# Altium PCB RUMBA_V2.PcbDoc (part 1 of 2)
Units mm, origin at the board's own origin, x right, y up, seen from the top; angles counter-clockwise.
Board outline 140 x 75 mm, 2 copper layers (Top Layer, Bottom Layer); 195 components, 179 nets, 836 pads, 168 vias.
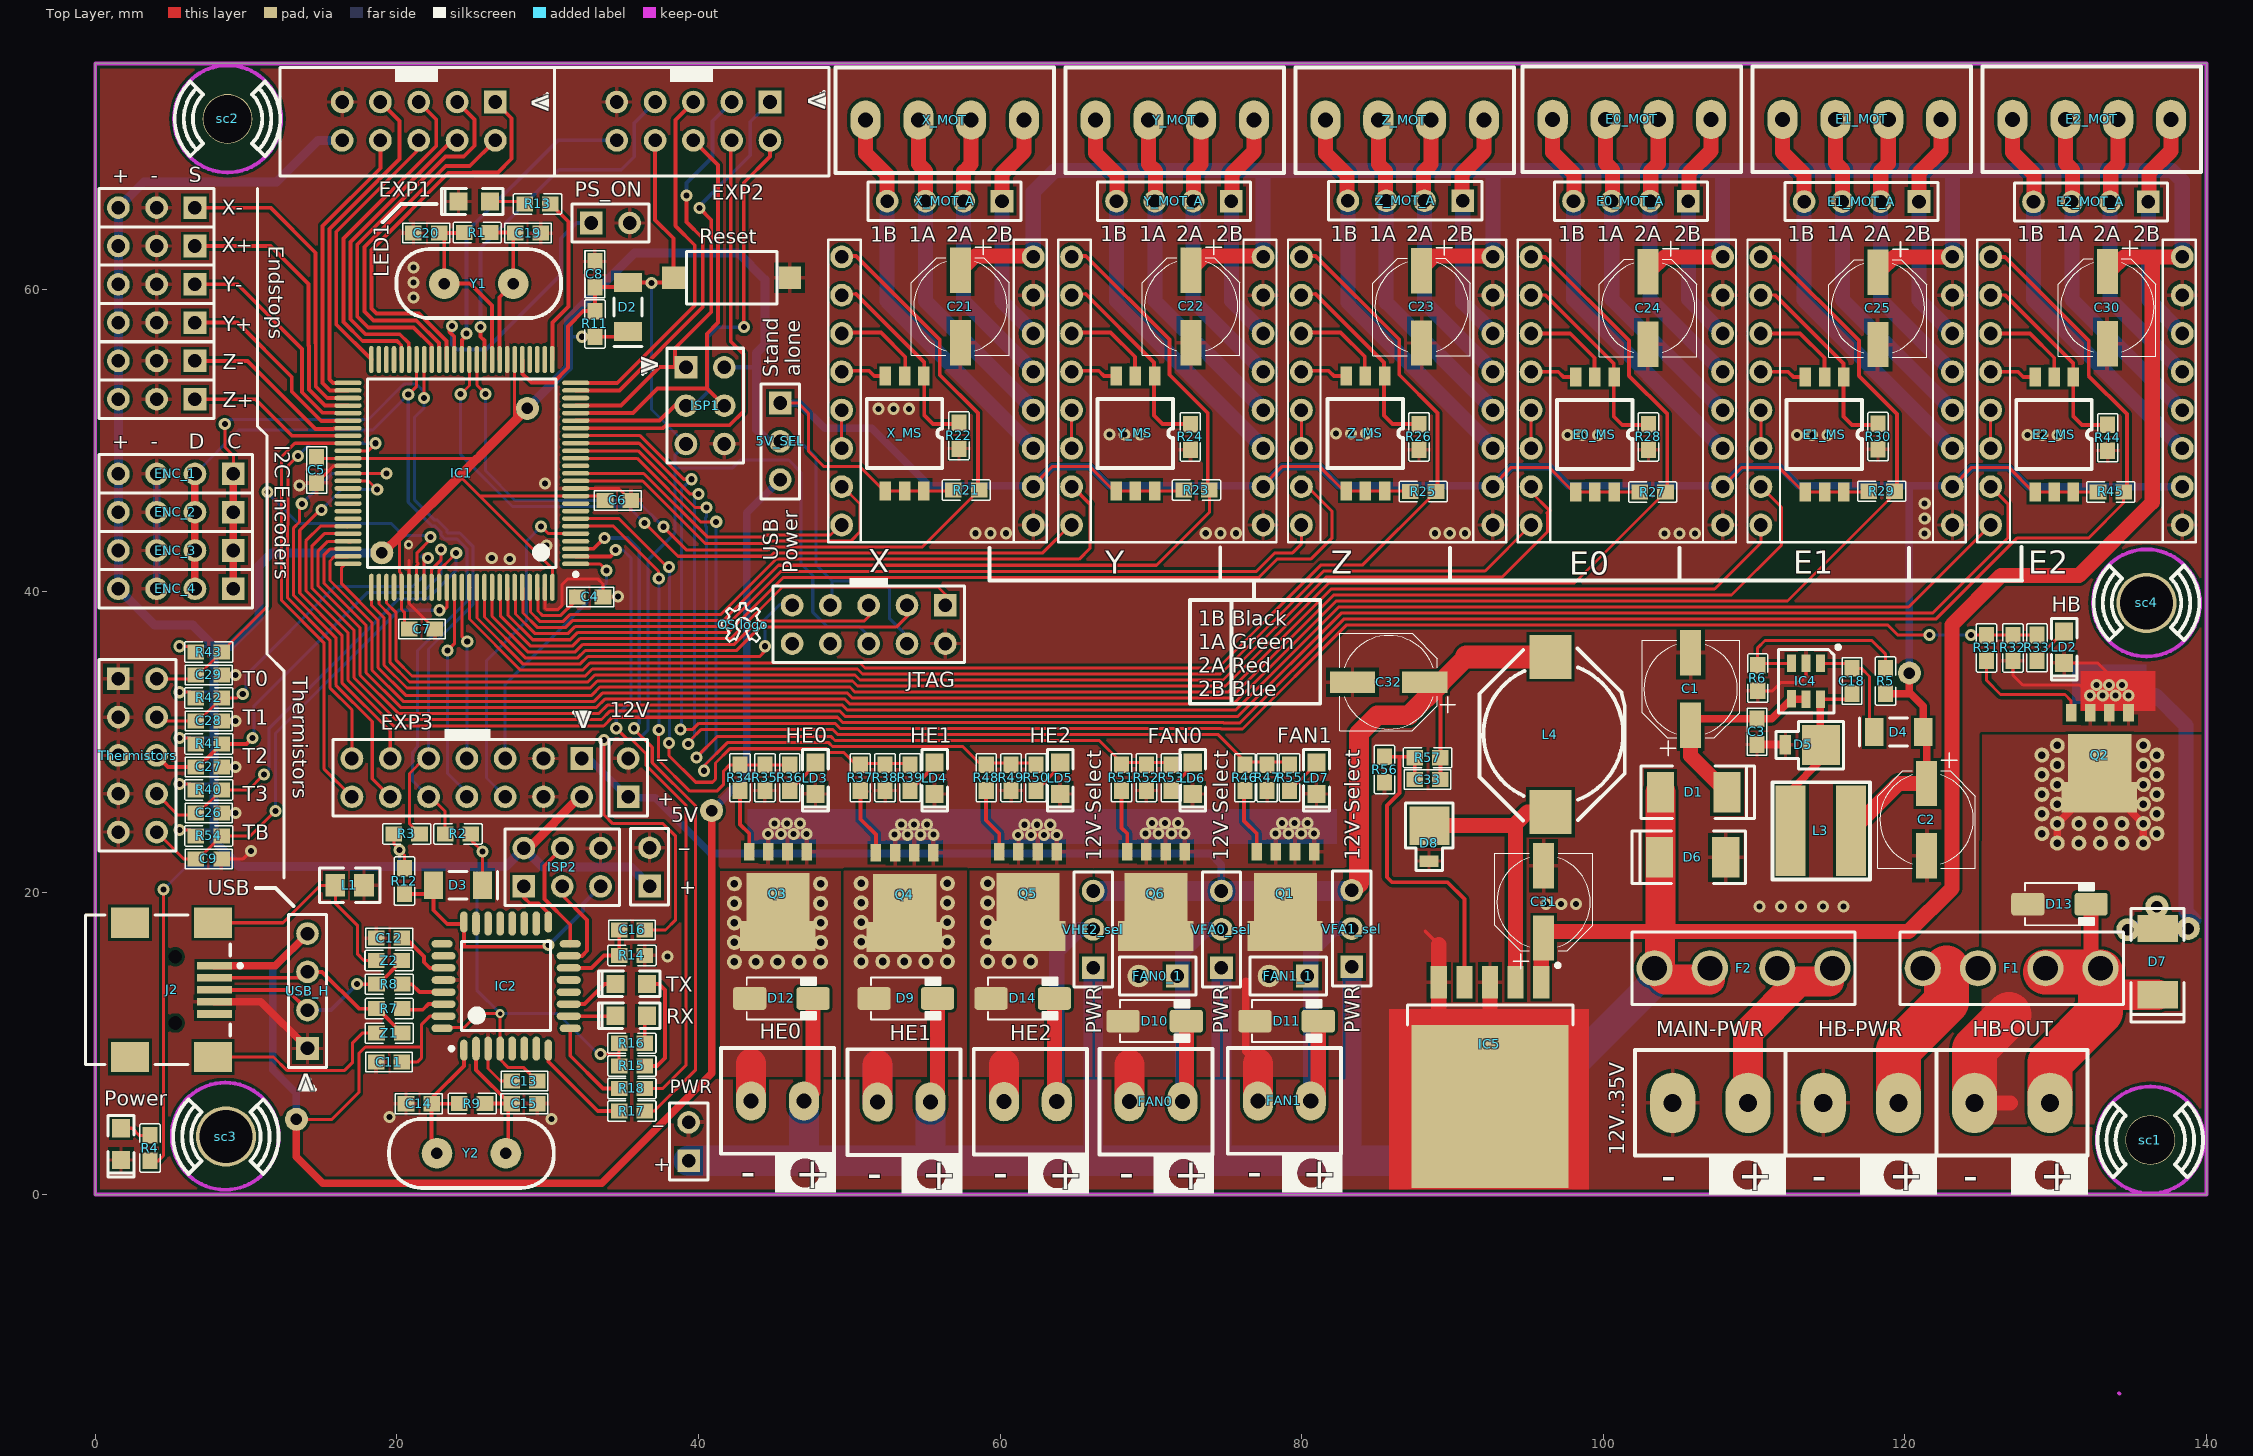
[diagram p0: Top Layer view]
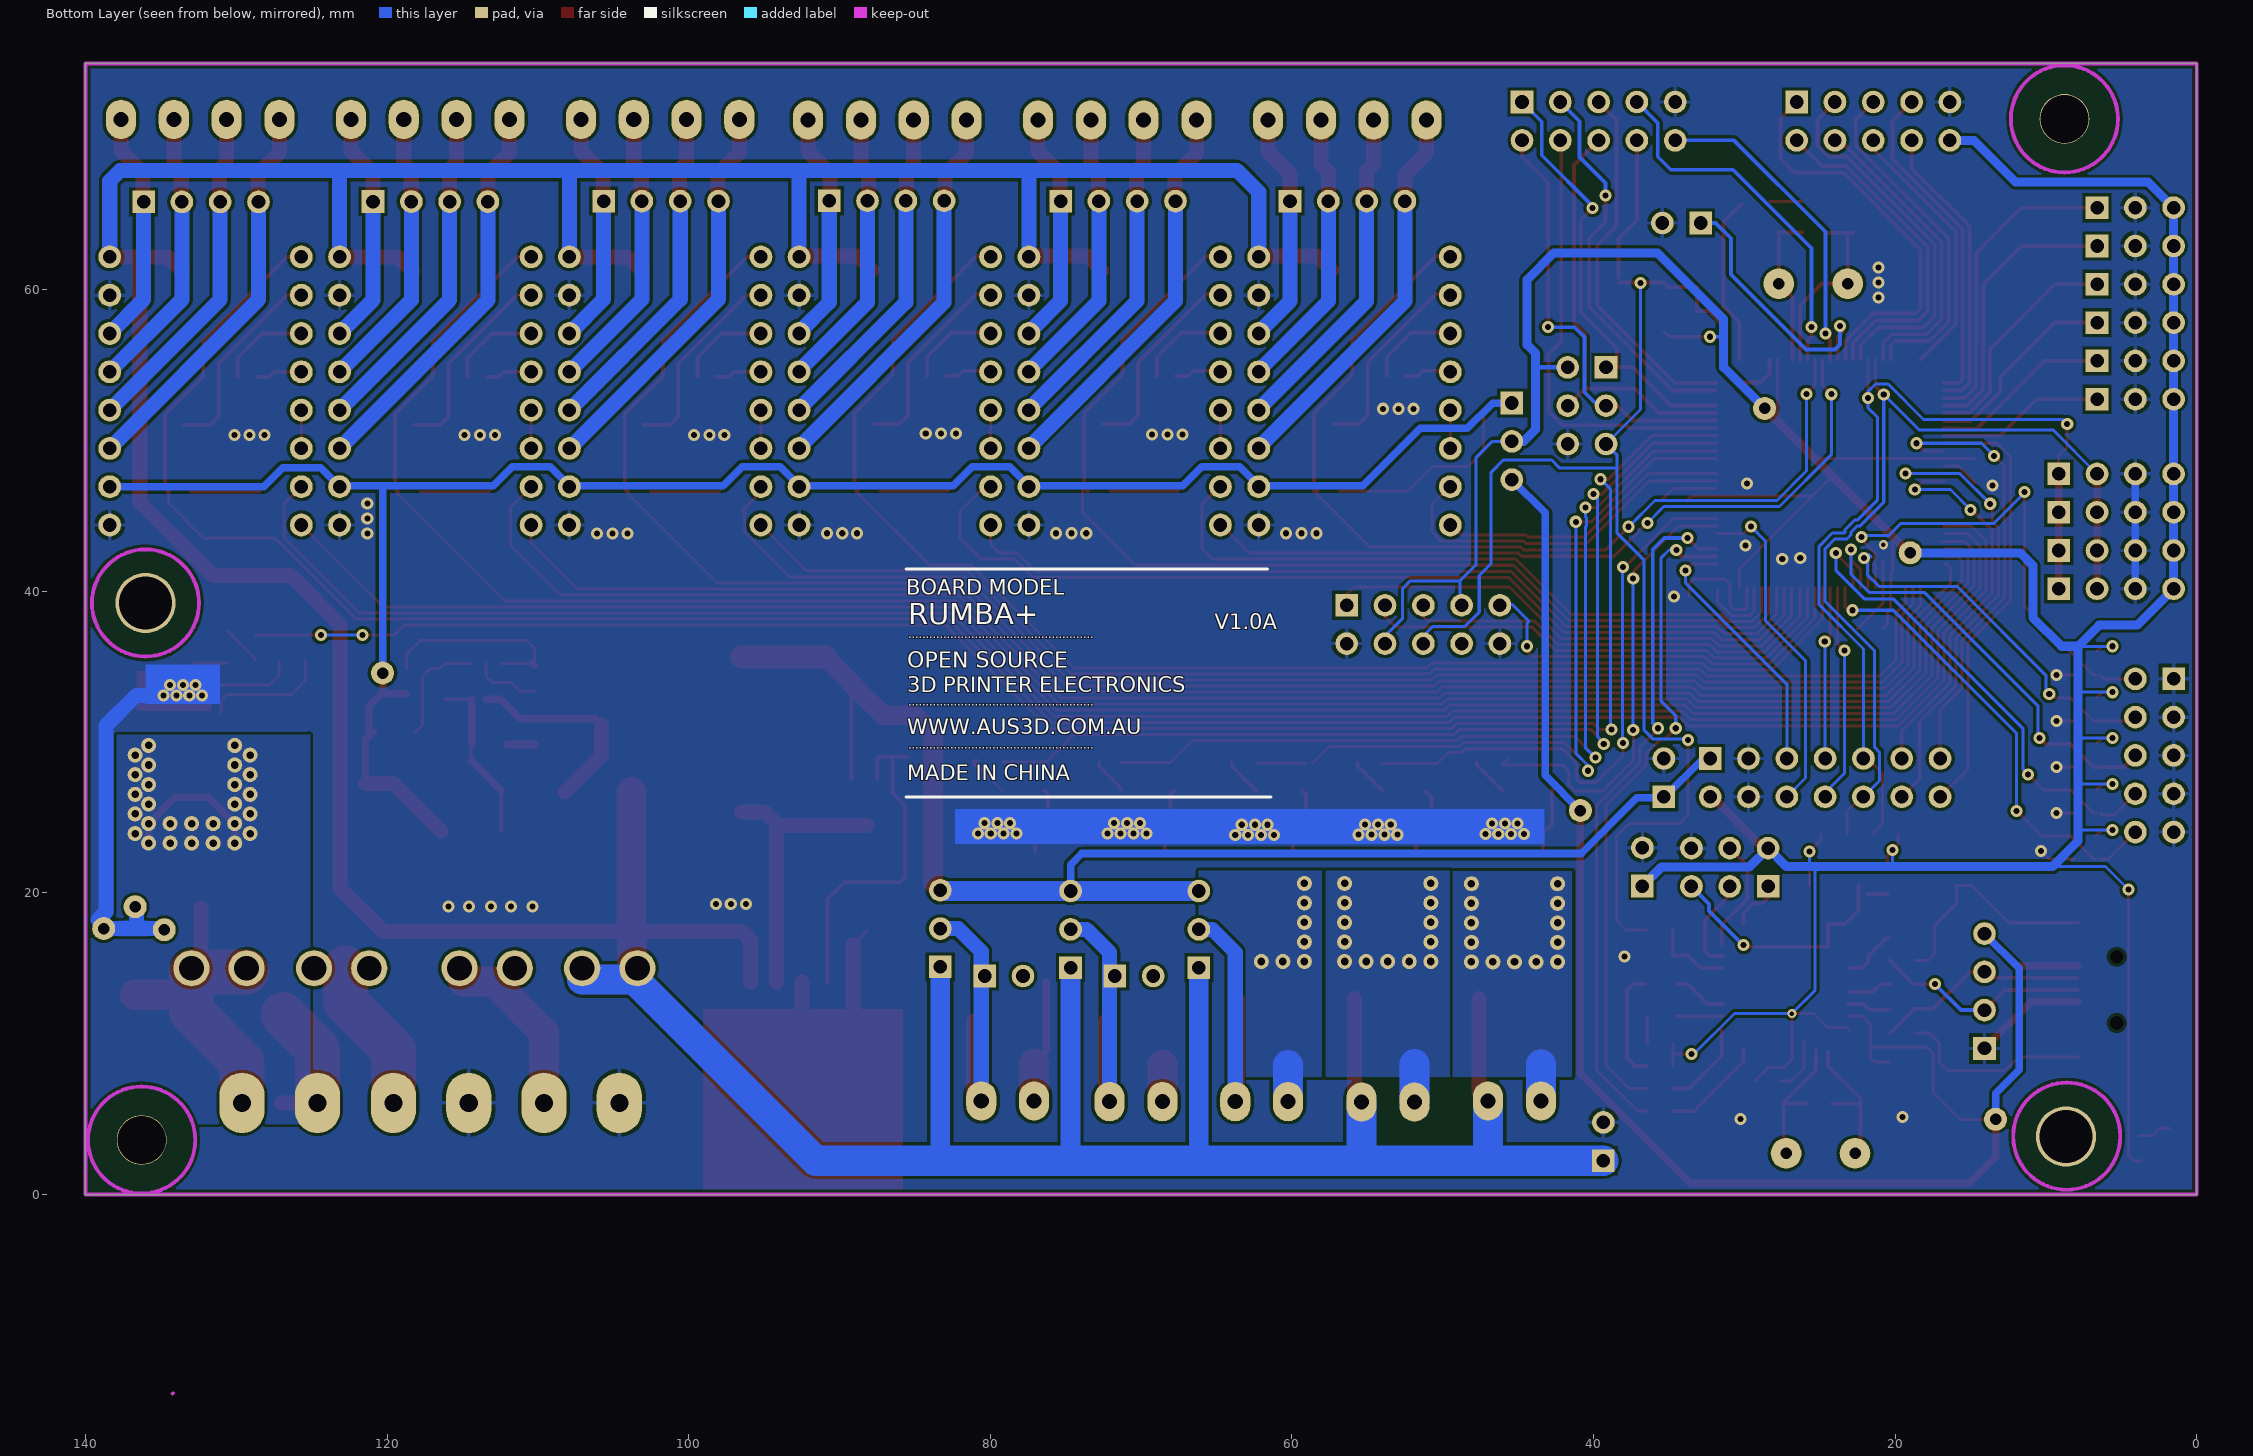
[diagram p1: Bottom Layer view, seen from below]

## Layer stack, top to bottom
Top Solder: solder mask 0.0102, Solder Resist, Dk 3.5
Top Layer: signal copper 0.0356
Dielectric1: dielectric 0.32, FR-4, Dk 4.8
Bottom Layer: signal copper 0.0356
Bottom Solder: solder mask 0.0102, Solder Resist, Dk 3.5

## Board outline
0,0 0,75 140,75 140,0

## Design rules (kind name [scope] priority, off if disabled: settings)
Clearance [All] p1: gap=0.2
ComponentClearance [All] p1: gap=0.2 collisioncheckmode=3 verticalgap=0.25 showdistances=FALSE
HoleSize [All] p1: absolutevalues=TRUE maxlimit=4 minlimit=0.025 maxpercent=80.000 minpercent=20.000
MinimumSolderMaskSliver [All] p1: minsoldermaskwidth=0
PolygonConnect PolygonConnect_Via [All vs IsVia] p1: connectstyle=Direct reliefconductorwidth=0.254 reliefentries=4 polygonreliefangle="90 Angle" airgapwidth=0.254
PolygonConnect PolygonConnect_Specific [All vs IsPad AND (InNet('HE_0') OR InNet('NetD9_A') OR InNet('NetD10_A') OR InNet('NetD11_A') OR InNet('NetD12_A') OR InNet('NetD13_A') OR InNet('NetD14_A'))] p2: connectstyle=Direct reliefconductorwidth=0.254 reliefentries=4 polygonreliefangle="90 Angle" airgapwidth=0.254
PolygonConnect [All] p3: connectstyle=Relief reliefconductorwidth=0.254 reliefentries=4 polygonreliefangle="90 Angle" airgapwidth=0.254
RoutingVias [All] p1: holewidth=0.4 width=0.8 viastyle="Through Hole" minholewidth=0.2 minwidth=0.6 maxholewidth=1 maxwidth=1.27
SilkToSilkClearance [All] p1: silktosilkclearance=0.1
SilkToSolderMaskClearance SilkscreenOverComponentPads [IsPad] p1: minsilkscreentomaskgap=0 clearancetoexposedcopper=TRUE
SolderMaskExpansion [All] p1: expansion=0.102
Width Width_1 [All] p1: maxlimit=3 minlimit=0.1 preferedwidth=0.2 minimp=50.000000 maximp=50.000000 favimp=50.000000
25 further rules are at their usual default settings.

## Components (designator, comment, footprint, x,y, rotation, side; value= is the part's Value field where it differs from the comment)
5V "Header 2" HDR1X2 36.758,20.455 r90 top
5V_SEL "Header 3" HDR1X3 45.419,52.484 r270 top
12V "Header 2" HDR1X2 35.335,26.373 r90 top
C1 "CapE-6.3-47uF-50V" "CAP EL PANASONIC" 105.795,35.974 r180 top
C2 "CapE-6.3-100uF-16V" "CAP EL PANASONIC" 121.441,22.41 r0 top
C3 "CapC-0603-100nF" "CAP 1608-0603" 110.189,30.691 r90 top
C4 "CapC-0603-100nF" "CAP 1608-0603" 32.821,39.632 r180 top
C5 "CapC-0603-100nF" "CAP 1608-0603" 14.685,48.039 r90 top
C6 "CapC-0603-100nF" "CAP 1608-0603" 34.649,46.032 r180 top
C7 "CapC-0603-100nF" "CAP 1608-0603" 21.67,37.498 r180 top
C8 "CapC-0603-22pF" "CAP 1608-0603" 33.125,61.018 r270 top
C9 "approved sub OK" "Cap 1608-0603" 7.526,22.258 r0 top
C11 "CapC-0603-100nF" "CAP 1608-0603" 19.475,8.778 r0 top
C12 "approved sub OK" "CAP 1608-0603" 19.488,17.008 r180 top
C13 "CapC-0603-100nF" "CAP 1608-0603" 28.456,7.526 r0 top
C14 "CapC-0603-22pF" "CAP 1608-0603" 21.456,6.016 r0 top
C15 "CapC-0603-22pF" "CAP 1608-0603" 28.456,6.016 r180 top
C16 "CapC-0603-100nF" "CAP 1608-0603" 35.6,17.546 r180 top
C18 "CapC-0603-100nF" "CAP 1608-0603" 116.488,34.044 r90 top
C19 "CapC-0603-22pF" "CAP 1608-0603" 28.699,63.752 r180 top
C20 "CapC-0603-22pF" "CAP 1608-0603" 21.949,63.752 r0 top
C21 "CapE-6.3-100uF-35V" "CAP EL PANASONIC" 57.374,56.434 r0 top
C22 "CapE-6.3-100uF-35V" "CAP EL PANASONIC" 72.665,56.436 r0 top
C23 "CapE-6.3-100uF-35V" "CAP EL PANASONIC" 87.956,56.41 r0 top
C24 "CapE-6.3-100uF-35V" "CAP EL PANASONIC" 102.968,56.334 r0 top
C25 "CapE-6.3-100uF-35V" "CAP EL PANASONIC" 118.208,56.309 r0 top
C26 "approved sub OK" "Cap 1608-0603" 7.526,25.306 r0 top
C27 "approved sub OK" "Cap 1608-0603" 7.526,28.354 r0 top
C28 "approved sub OK" "Cap 1608-0603" 7.526,31.402 r0 top
C29 "approved sub OK" "Cap 1608-0603" 7.526,34.45 r0 top
C30 "CapE-6.3-100uF-35V" "CAP EL PANASONIC" 133.422,56.36 r0 top
C31 "CapE-6.3-100uF-35V" "CAP EL PANASONIC" 96.041,21.852 r180 top
C32 "CapE-6.3-100uF-35V" "CAP EL PANASONIC" 83.316,33.967 r270 top
C33 "CapC-0603-100nF" "Cap 1608-0603" 88.346,27.516 r180 top
D1 "M4" "1N4007 SMD" 102.391,28.557 r270 top
D2 "" "1N4148 SMD" 35.324,58.842 r90 top
D3 "" "1N4148 SMD" 24.058,20.505 r180 top
D4 "" "1N4148 SMD" 119.587,30.665 r0 top
D5 "Diode MBRM140" MBRM140 114.431,29.802 r180 top
D6 "M4" "1N4007 SMD" 109.529,20.48 r90 top
D7 "M4" "1N4007 SMD" 138.637,19.058 r180 top
D8 "Diode MURS320" MBRM140 88.472,24.463 r270 top
D9 "100V; 1.5A" DO-214AC 53.75,13 r0 top
D10 "100V; 1.5A" DO-214AC 70.25,11.5 r0 top
D11 "100V; 1.5A" DO-214AC 79,11.5 r0 top
D12 "100V; 1.5A" DO-214AC 45.5,13 r0 top
D13 "100V; 1.5A" DO-214AC 130.25,19.254 r0 top
D14 "100V; 1.5A" DO-214AC 61.5,13 r0 top
E0 "A4988BREAKOUT" A4988BREAKOUT 95.211,62.176 r270 top locked
E0_MOT "ScrewTerminal-3.5mm-4Way" "TERM4 3.5MM" 96.643,71.295 r0 top
E0_MOT_A "Header 4" HDR1X4 105.642,65.87 r180 top
E0_MS "SW DIP-3" "DIPSW SO6" 100.716,54.204 r270 top
E1 "A4988BREAKOUT" A4988BREAKOUT 110.451,62.176 r270 top locked
E1_MOT "ScrewTerminal-3.5mm-4Way" "TERM4 3.5MM" 111.893,71.295 r0 top
E1_MOT_A "Header 4" HDR1X4 120.933,65.844 r180 top
E1_MS "SW DIP-3" "DIPSW SO6" 115.942,54.204 r270 top
E2 "A4988BREAKOUT" A4988BREAKOUT 125.691,62.176 r270 top locked
E2_MOT "ScrewTerminal-3.5mm-4Way" "TERM4 3.5MM" 127.143,71.295 r0 top
E2_MOT_A "Header 4" HDR1X4 136.148,65.819 r180 top
E2_MS "SW DIP-3" "DIPSW SO6" 131.168,54.204 r270 top
ENC_1 "Header 4" HDR1X4 9.152,47.785 r180 top
ENC_2 "Header 4" HDR1X4 9.152,45.245 r180 top
ENC_3 "Header 4" HDR1X4 9.152,42.705 r180 top
ENC_4 "Header 4" HDR1X4 9.152,40.165 r180 top
EXP1 "Header 5X2" "HDR2X5_EXP INER ONLY\" 30.535,74.746 r180 top
EXP2 "Header 5X2" "HDR2X5_EXP INER ONLY\" 48.746,74.746 r180 top
EXP3 "Header 7X2" HDR2X7 32.262,28.913 r180 top
F1 "Fuseholder - Mini ATC ATO 15A" "Fuseholder - BK-6013 - Mini ATC ATO Blade 15A" 127.08,15.004 r0 top
F2 "Fuseholder - Mini ATC ATO 15A" "Fuseholder - BK-6013 - Mini ATC ATO Blade 15A" 109.3,15.004 r180 top
FAN0 "Screw Terminal 3.5mm 2-Way" "TERM2 3.5MM" 72.089,6.154 r180 top
FAN0_1 "Header 2" HDR1X2 71.737,14.488 r180 top
FAN1 "Screw Terminal 3.5mm 2-Way" "TERM2 3.5MM" 80.598,6.205 r180 top
FAN1_1 "Header 2" HDR1X2 80.374,14.488 r180 top
HB-OUT "Screw Terminal 5mm 2-Way" "TERM2 5MM" 124.616,6.078 r0 top
HB-PWR "Screw Terminal 5mm 2-Way" "TERM2 5MM" 114.583,6.078 r0 top
HE0 "Screw Terminal 3.5mm 2-Way" "TERM2 3.5MM" 46.994,6.205 r180 top
HE1 "Screw Terminal 3.5mm 2-Way" "TERM2 3.5MM" 55.376,6.129 r180 top
HE2 "Screw Terminal 3.5mm 2-Way" "TERM2 3.5MM" 63.758,6.154 r180 top
IC1 "ATMEGA2560" TQFP100N 24.31,47.817 r180 top locked
IC2 "ATMEGA16U2-AU" TQFP32N 27.248,13.824 r90 top
IC4 "LT1933ES6" SOT23-6N 113.44,34.044 r270 top
IC5 "LM2596" TO-263 92.486,8.491 r270 top
ISP1 "Header 3X2" HDR2X3 39.171,54.846 r270 top
ISP2 "Header 3X2" HDR2X3 28.426,20.429 r0 top
J2 "USB conector" USB_MINI/SM0.8-6H5 0.052,13.571 r180 top
JTAG "Header 5X2" HDR2X5 56.366,39.073 r180 top
L1 "Ferrite Bead SMD 0805" "RES 2012-0805" 16.869,20.505 r0 top
L3 "Inductor SMD 33uH 1.2A" INDUCTOR_MSS6122D 112.424,24.112 r270 top
L4 "Inductor SMD 47uH 1.8A" DO3316P 96.498,25.357 r90 top
LD2 "GREEN" "LED 0805" 130.56,37.346 r270 top
LD3 "GREEN" "LED 0805" 47.756,28.659 r270 top
LD4 "GREEN" "LED 0805" 55.658,28.659 r270 top
LD5 "GREEN" "LED 0805" 63.99,28.659 r270 top
LD6 "GREEN" "LED 0805" 72.778,28.659 r270 top
LD7 "GREEN" "LED 0805" 80.979,28.659 r270 top
LED1 "YELLOW" "LED 0805" 26.183,65.844 r180 top
MAIN-PWR "Screw Terminal 5mm 2-Way" "TERM2 5MM" 104.601,6.078 r0 top (schematic designator Main-PWR)
"OS logo" "Logo" "OS LOGO TOP" 42.981,37.828 r0 top
Power "GREEN" "LED 0805" 1.706,4.394 r270 top
PS_ON "Header 2" HDR1X2 32.897,64.422 r0 top
PWR "Header 2" HDR1X2 39.348,2.243 r90 top
Q1 "PSMN1R8-40YLC" LFPACK 80.827,22.727 r180 top
Q2 "PSMN1R8-40YLC" LFPACK 134.827,31.935 r180 top
Q3 "PSMN1R8-40YLC" LFPACK 47.174,22.727 r180 top
Q4 "PSMN1R8-40YLC" LFPACK 55.579,22.664 r180 top
Q5 "PSMN1R8-40YLC" LFPACK 63.759,22.727 r180 top
Q6 "PSMN1R8-40YLC" LFPACK 72.242,22.727 r180 top
R1 "Res-0603-1M" "RES 1608-0603" 25.328,63.782 r0 top
R2 "Res-0603-10K" "RES 1608-0603" 24.058,23.909 r0 top
R3 "Res-0603-10K" "RES 1608-0603" 20.654,23.909 r180 top
R4 "Res-0603-1K" "RES 1608-0603" 3.636,3.081 r270 top
R5 "Res-0603-30K" "RES 1608-0603" 118.723,34.044 r270 top
R6 "Res-0603-10K" "RES 1608-0603" 110.24,34.247 r90 top
R7 "Res-0603-22R" "RES 1608-0603" 19.498,12.324 r180 top
R8 "Res-0603-22R" "RES 1608-0603" 19.498,13.947 r180 top
R9 "Res-0603-1M" "RES 1608-0603" 24.997,6.027 r0 top
R11 "Res-0603-10K" "RES 1608-0603" 33.132,57.729 r270 top
R12 "Res-0603-10K" "RES 1608-0603" 20.502,20.785 r90 top
R13 "Res-0603-1K" "RES 1608-0603" 29.333,65.692 r0 top
R14 "Res-0603-1K" "RES 1608-0603" 35.589,15.857 r0 top
R15 "Res-0603-1K" "RES 1608-0603" 35.584,8.531 r0 top
R16 "Res-0603-1K" "RES 1608-0603" 35.584,10.031 r0 top
R17 "Res-0603-1K" "RES 1608-0603" 35.584,5.531 r0 top
R18 "Res-0603-1K" "RES 1608-0603" 35.584,7.031 r0 top
R21 "Res-0603-10K" "RES 1608-0603" 57.756,46.708 r0 top
R22 "Res-0603-100K" "RES 1608-0603" 57.273,50.314 r270 top
R23 "Res-0603-10K" "RES 1608-0603" 73.021,46.708 r0 top
R24 "Res-0603-100K" "RES 1608-0603" 72.615,50.238 r270 top
R25 "Res-0603-10K" "RES 1608-0603" 88.058,46.606 r0 top
R26 "Res-0603-100K" "RES 1608-0603" 87.778,50.238 r270 top
R27 "Res-0603-10K" "RES 1608-0603" 103.272,46.581 r0 top
R28 "Res-0603-100K" "RES 1608-0603" 102.993,50.238 r270 top
R29 "Res-0603-10K" "RES 1608-0603" 118.462,46.631 r0 top
R30 "Res-0603-100K" "RES 1608-0603" 118.221,50.262 r270 top
R31 "Res-0603-10R" "RES 1608-0603" 125.404,36.242 r270 top
R32 "Res-0603-100K" "RES 1608-0603" 127.156,36.242 r270 top
R33 "Res-0603-1K" "RES 1608-0603" 128.756,36.253 r90 top
R34 "Res-0603-10R" "RES 1608-0603" 42.751,27.643 r270 top
R35 "Res-0603-100K" "RES 1608-0603" 44.402,27.643 r270 top
R36 "Res-0603-1K" "RES 1608-0603" 46.053,27.643 r90 top
R37 "Res-0603-10R" "RES 1608-0603" 50.727,27.643 r270 top
R38 "Res-0603-100K" "RES 1608-0603" 52.378,27.643 r270 top
R39 "Res-0603-1K" "RES 1608-0603" 54.029,27.643 r90 top
R40 "Res-0603-4K7" "RES 1608-0603" 7.526,26.83 r0 top
R41 "Res-0603-4K7" "RES 1608-0603" 7.526,29.878 r0 top
R42 "Res-0603-4K7" "RES 1608-0603" 7.526,32.926 r0 top
R43 "Res-0603-4K7" "RES 1608-0603" 7.526,35.974 r0 top
R44 "Res-0603-100K" "RES 1608-0603" 133.447,50.182 r270 top
R45 "Res-0603-10K" "RES 1608-0603" 133.652,46.585 r0 top
R46 "Res-0603-10R" "RES 1608-0603" 76.229,27.643 r270 top
R47 "Res-0603-100K" "RES 1608-0603" 77.702,27.643 r270 top
R48 "Res-0603-10R" "RES 1608-0603" 59.084,27.643 r270 top
R49 "Res-0603-100K" "RES 1608-0603" 60.735,27.643 r270 top
R50 "Res-0603-1K" "RES 1608-0603" 62.386,27.643 r90 top
R51 "Res-0603-10R" "RES 1608-0603" 68.05,27.643 r270 top
R52 "Res-0603-100K" "RES 1608-0603" 69.701,27.643 r270 top
R53 "Res-0603-1K" "RES 1608-0603" 71.352,27.643 r90 top
R54 "Res-0603-4K7" "RES 1608-0603" 7.526,23.782 r0 top
R55 "Res-0603-1K" "RES 1608-0603" 79.201,27.643 r90 top
R56 "Res-0603-1K" "RES 1608-0603" 85.5,28.176 r270 top
R57 "Res-0603-8K66" "RES 1608-0603" 88.346,28.964 r0 top
Reset "" "SW-PB SMD 2PIN" 42.193,60.79 r180 top
RX "YELLOW" "LED 0805" 36.589,11.857 r180 top
sc1 "Sraf" "SRAF 3MM - RUPA 3.2" 136.275,3.614 r45 top
sc2 "Sraf" "SRAF 3MM - RUPA 3.2" 8.773,71.325 r45 top
sc3 "Sraf" "Sraf 3mm - rupa 3.5" 8.665,3.843 r45 top
sc4 "Sraf" "SRAF 3MM - RUPA 3.5" 136.021,39.225 r45 top
Thermistors "Header 5X2" HDR2X5 1.532,34.196 r270 top
TX "YELLOW" "LED 0805" 36.589,13.966 r180 top
USB_H "Header 4" HDR1X4 14.075,9.685 r90 top
VFA0_sel "Header 3" HDR1X3 74.68,15.044 r90 top
VFA1_sel "Header 3" HDR1X3 83.316,15.095 r90 top
VHE2_sel "Header 3" HDR1X3 66.171,15.044 r90 top
X "A4988BREAKOUT" A4988BREAKOUT 49.499,62.176 r270 top locked
X+ "Header 3" HDR1X3 6.612,62.898 r180 top (schematic designator Xmax)
X- "Header 3" HDR1X3 6.612,65.438 r180 top (schematic designator Xmin)
X_MOT "ScrewTerminal-3.5mm-4Way" "TERM4 3.5MM" 51.081,71.244 r0 top locked
X_MOT_A "Header 4" HDR1X4 60.126,65.87 r180 top
X_MS "SW DIP-3" "DIPSW SO6" 54.941,54.278 r270 top
Y "A4988BREAKOUT" A4988BREAKOUT 64.739,62.176 r270 top locked
Y1 "16MHz" X-TAL 27.716,60.404 r180 top
Y2 "16MHz" X-TAL 27.233,2.725 r180 top
Y+ "Header 3" HDR1X3 6.612,57.818 r180 top (schematic designator Ymax)
Y- "Header 3" HDR1X3 6.612,60.358 r180 top (schematic designator Ymin)
Y_MOT "ScrewTerminal-3.5mm-4Way" "TERM4 3.5MM" 66.331,71.244 r0 top
Y_MOT_A "Header 4" HDR1X4 75.34,65.87 r180 top
Y_MS "SW DIP-3" "DIPSW SO6" 70.246,54.278 r270 top
Z "A4988BREAKOUT" A4988BREAKOUT 79.979,62.176 r270 top locked
Z1 "VARISTOR" "RES 1608-0603" 19.498,10.697 r180 top
Z2 "VARISTOR" "RES 1608-0603" 19.488,15.508 r180 top
Z+ "Header 3" HDR1X3 6.612,52.738 r180 top (schematic designator Zmax)
Z- "Header 3" HDR1X3 6.612,55.278 r180 top (schematic designator Zmin)
Z_MOT "ScrewTerminal-3.5mm-4Way" "TERM4 3.5MM" 81.581,71.244 r0 top
Z_MOT_A "Header 4" HDR1X4 90.682,65.895 r180 top
Z_MS "SW DIP-3" "DIPSW SO6" 85.5,54.278 r270 top
